# KiCad board sswkbd_right.kicad_pcb
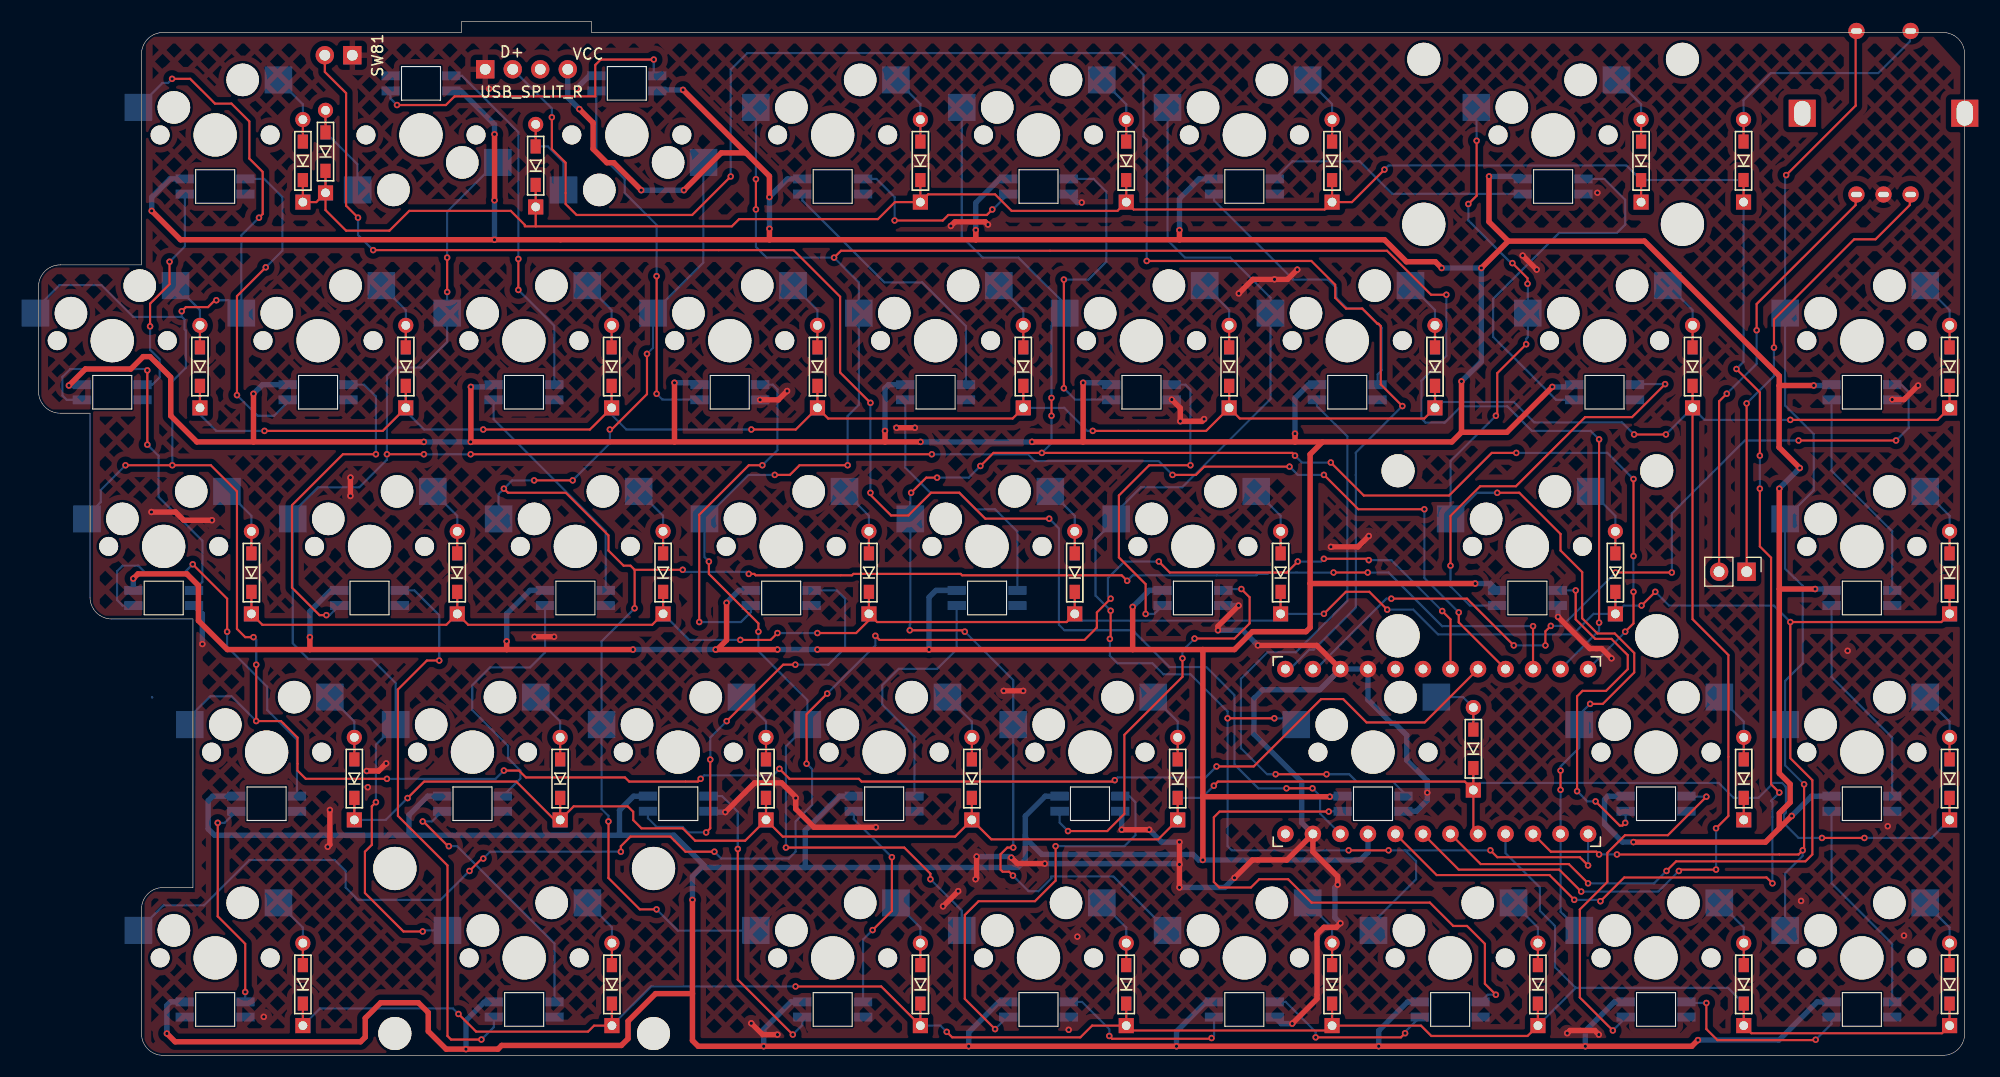
[diagram p0: board, top side]
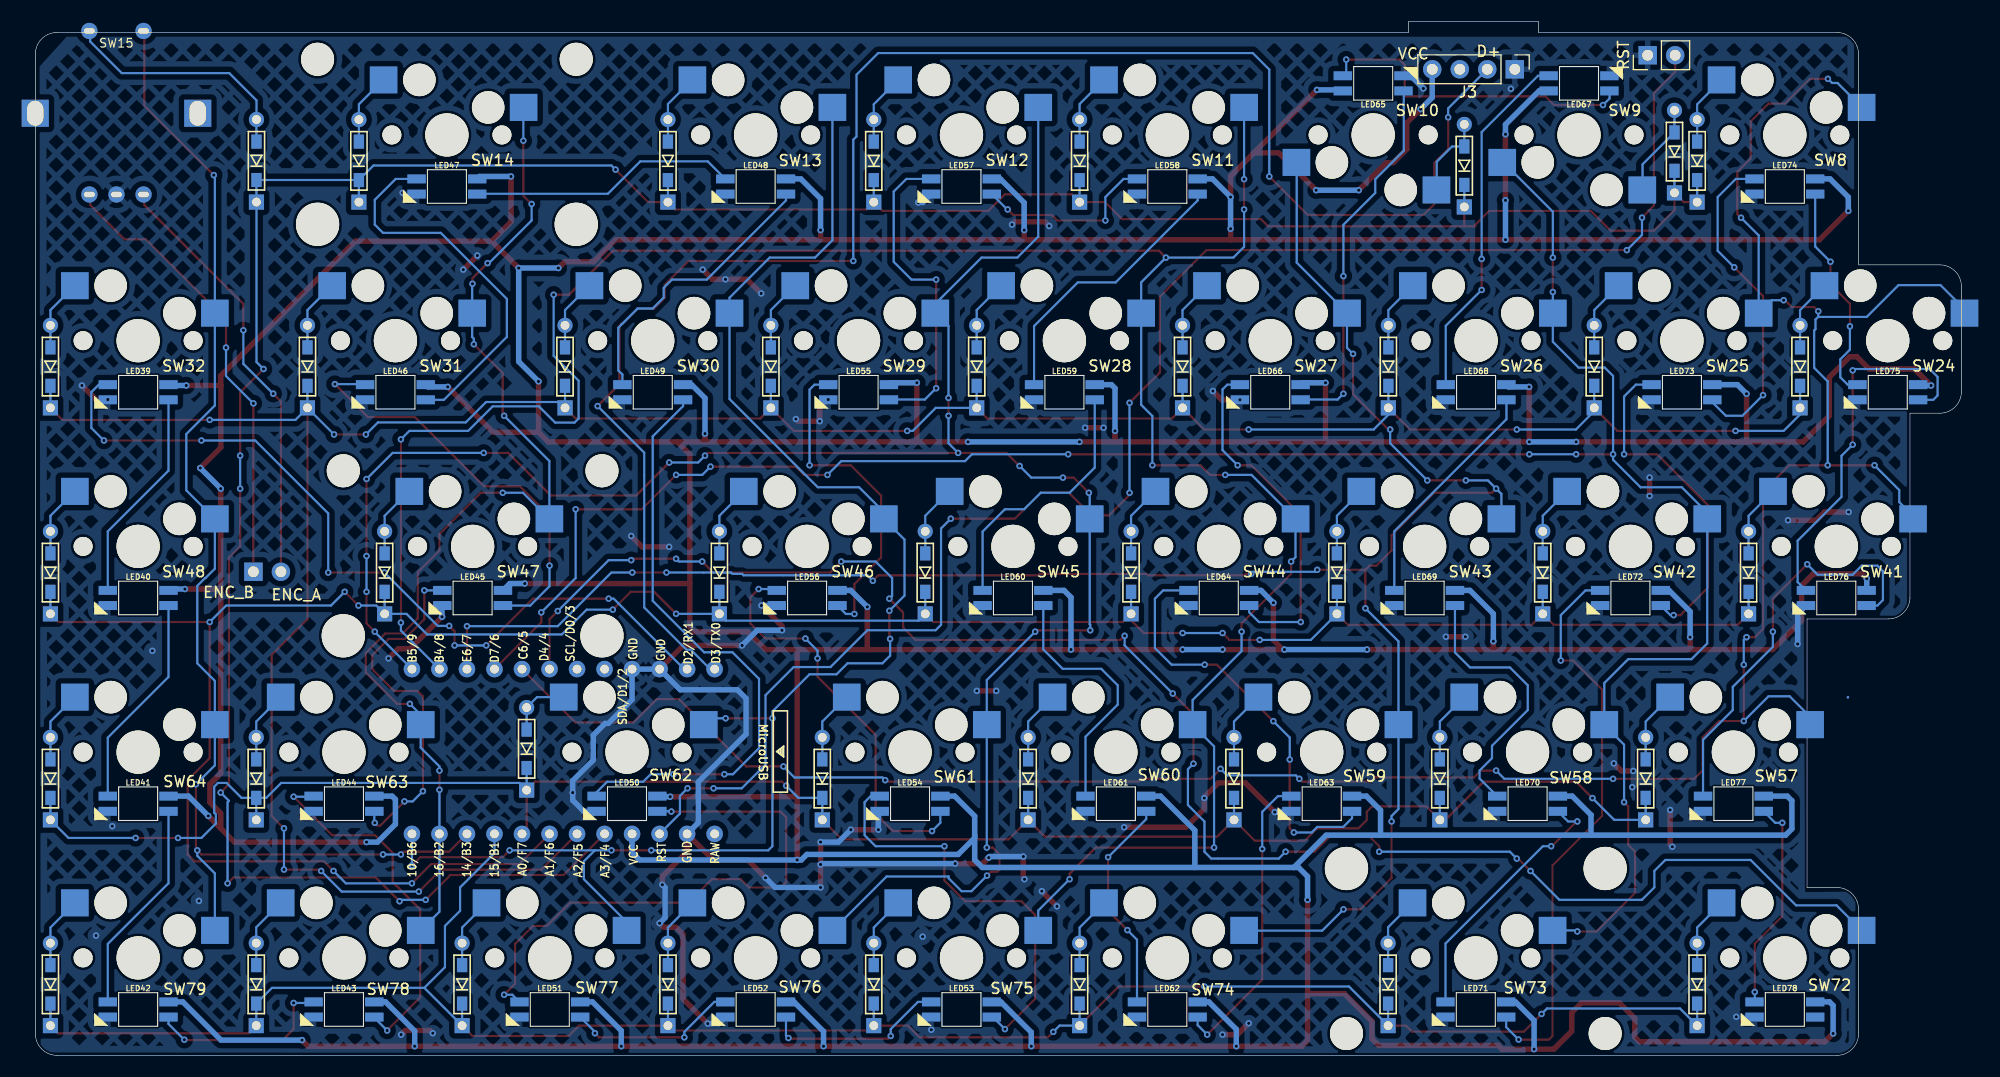
[diagram p1: board, bottom side, seen from below]

Outline 177.79 x 95.46 mm; copper layers: Top, Bottom. Coordinates in mm from the lower left corner of the outline.
Outline path: 0,71 0,61.3 arc(0.59,59.89) 2,59.3 4.75,59.3 4.75,42.3 arc(5.34,40.89) 6.75,40.3 14.25,40.3 14.25,15.5 11.5,15.5 arc(10.09,14.91) 9.5,13.5 9.5,2 arc(10.09,0.59) 11.5,0 175.79,0 arc(177.2,0.59) 177.79,2 177.79,92.46 arc(177.2,93.87) 175.79,94.46 51.04,94.46 51.04,95.46 39.04,95.46 39.04,94.46 11.5,94.46 arc(10.09,93.87) 9.5,92.46 9.5,73 2,73 arc(0.59,72.41) 0,71
Stack: Top 0.035mm / dielectric 1.51mm FR4 er 4.5 / Bottom 0.035mm

## Placement (name value [footprint] x y rotation side)
D8  1N4148WT  [D3_TH_SMD]  24.4 82.61 90 top
D9  1N4148WT  [D3_TH_SMD]  26.49 83.46 90 top
D10  1N4148WT  [D3_TH_SMD]  45.89 82.16 90 top
D11  1N4148WT  [D3_TH_SMD]  81.4 82.61 90 top
D12  1N4148WT  [D3_TH_SMD]  100.4 82.61 90 top
D13  1N4148WT  [D3_TH_SMD]  119.4 82.61 90 top
D14  1N4148WT  [D3_TH_SMD]  147.92 82.61 90 top
D15  1N4148WT  [D3_TH_SMD]  157.38 82.61 90 top
D24  1N4148WT  [D3_TH_SMD]  14.9 63.61 90 top
D25  1N4148WT  [D3_TH_SMD]  33.9 63.61 90 top
D26  1N4148WT  [D3_TH_SMD]  52.9 63.61 90 top
D27  1N4148WT  [D3_TH_SMD]  71.9 63.61 90 top
D28  1N4148WT  [D3_TH_SMD]  90.9 63.61 90 top
D29  1N4148WT  [D3_TH_SMD]  109.9 63.61 90 top
D30  1N4148WT  [D3_TH_SMD]  128.9 63.61 90 top
D31  1N4148WT  [D3_TH_SMD]  152.67 63.61 90 top
D32  1N4148WT  [D3_TH_SMD]  176.4 63.61 90 top
D41  1N4148WT  [D3_TH_SMD]  19.65 44.58 90 top
D42  1N4148WT  [D3_TH_SMD]  38.65 44.58 90 top
D43  1N4148WT  [D3_TH_SMD]  57.65 44.58 90 top
D44  1N4148WT  [D3_TH_SMD]  76.65 44.58 90 top
D45  1N4148WT  [D3_TH_SMD]  95.65 44.58 90 top
D46  1N4148WT  [D3_TH_SMD]  114.65 44.58 90 top
D47  1N4148WT  [D3_TH_SMD]  145.55 44.58 90 top
D48  1N4148WT  [D3_TH_SMD]  176.4 44.58 90 top
D57  1N4148WT  [D3_TH_SMD]  29.15 25.56 90 top
D58  1N4148WT  [D3_TH_SMD]  48.15 25.56 90 top
D59  1N4148WT  [D3_TH_SMD]  67.15 25.56 90 top
D60  1N4148WT  [D3_TH_SMD]  86.15 25.56 90 top
D61  1N4148WT  [D3_TH_SMD]  105.15 25.56 90 top
D62  1N4148WT  [D3_TH_SMD]  132.44 28.31 90 top
D63  1N4148WT  [D3_TH_SMD]  157.4 25.56 90 top
D64  1N4148WT  [D3_TH_SMD]  176.4 25.56 90 top
D72  1N4148WT  [D3_TH_SMD]  24.4 6.56 90 top
D73  1N4148WT  [D3_TH_SMD]  52.92 6.56 90 top
D74  1N4148WT  [D3_TH_SMD]  81.4 6.56 90 top
D75  1N4148WT  [D3_TH_SMD]  100.4 6.56 90 top
D76  1N4148WT  [D3_TH_SMD]  119.4 6.56 90 top
D77  1N4148WT  [D3_TH_SMD]  138.4 6.56 90 top
D78  1N4148WT  [D3_TH_SMD]  157.4 6.56 90 top
D79  1N4148WT  [D3_TH_SMD]  176.4 6.56 90 top
J3  Conn_01x04_Socket  [PinHeader_1x04_P2.54mm_Vertical]  41.23 91.06 90 top
J4  Conn_01x02_Socket  [PinHeader_1x02_P2.54mm_Vertical]  157.66 44.66 270 top
LED39  YS-SK6812MINI-E  [SK6812MINI-E]  168.3 61.24 180 bottom
LED40  YS-SK6812MINI-E  [SK6812MINI-E]  168.3 42.24 180 bottom
LED41  YS-SK6812MINI-E  [SK6812MINI-E]  168.3 23.24 180 bottom
LED42  YS-SK6812MINI-E  [SK6812MINI-E]  168.3 4.24 180 bottom
LED43  YS-SK6812MINI-E  [SK6812MINI-E]  149.3 4.24 180 bottom
LED44  YS-SK6812MINI-E  [SK6812MINI-E]  149.3 23.24 180 bottom
LED45  YS-SK6812MINI-E  [SK6812MINI-E]  137.43 42.24 180 bottom
LED46  YS-SK6812MINI-E  [SK6812MINI-E]  144.55 61.24 180 bottom
LED47  YS-SK6812MINI-E  [SK6812MINI-E]  139.8 80.24 180 bottom
LED48  YS-SK6812MINI-E  [SK6812MINI-E]  111.3 80.24 180 bottom
LED49  YS-SK6812MINI-E  [SK6812MINI-E]  120.8 61.24 180 bottom
LED50  YS-SK6812MINI-E  [SK6812MINI-E]  123.18 23.24 180 bottom
LED51  YS-SK6812MINI-E  [SK6812MINI-E]  130.3 4.24 180 bottom
LED52  YS-SK6812MINI-E  [SK6812MINI-E]  111.3 4.24 180 bottom
LED53  YS-SK6812MINI-E  [SK6812MINI-E]  92.3 4.24 180 bottom
LED54  YS-SK6812MINI-E  [SK6812MINI-E]  97.05 23.24 180 bottom
LED55  YS-SK6812MINI-E  [SK6812MINI-E]  101.8 61.24 180 bottom
LED56  YS-SK6812MINI-E  [SK6812MINI-E]  106.55 42.24 180 bottom
LED57  YS-SK6812MINI-E  [SK6812MINI-E]  92.3 80.24 180 bottom
LED58  YS-SK6812MINI-E  [SK6812MINI-E]  73.3 80.24 180 bottom
LED59  YS-SK6812MINI-E  [SK6812MINI-E]  82.8 61.24 180 bottom
LED60  YS-SK6812MINI-E  [SK6812MINI-E]  87.55 42.24 180 bottom
LED61  YS-SK6812MINI-E  [SK6812MINI-E]  78.05 23.24 180 bottom
LED62  YS-SK6812MINI-E  [SK6812MINI-E]  73.3 4.24 180 bottom
LED63  YS-SK6812MINI-E  [SK6812MINI-E]  59.05 23.24 180 bottom
LED64  YS-SK6812MINI-E  [SK6812MINI-E]  68.55 42.24 180 bottom
LED65  YS-SK6812MINI-E  [SK6812MINI-E]  54.3 89.76 0 bottom
LED66  YS-SK6812MINI-E  [SK6812MINI-E]  63.8 61.24 180 bottom
LED67  YS-SK6812MINI-E  [SK6812MINI-E]  35.3 89.76 0 bottom
LED68  YS-SK6812MINI-E  [SK6812MINI-E]  44.8 61.24 180 bottom
LED69  YS-SK6812MINI-E  [SK6812MINI-E]  49.55 42.24 180 bottom
LED70  YS-SK6812MINI-E  [SK6812MINI-E]  40.05 23.24 180 bottom
LED71  YS-SK6812MINI-E  [SK6812MINI-E]  44.82 4.24 180 bottom
LED72  YS-SK6812MINI-E  [SK6812MINI-E]  30.55 42.24 180 bottom
LED73  YS-SK6812MINI-E  [SK6812MINI-E]  25.8 61.24 180 bottom
LED74  YS-SK6812MINI-E  [SK6812MINI-E]  16.3 80.24 180 bottom
LED75  YS-SK6812MINI-E  [SK6812MINI-E]  6.8 61.24 180 bottom
LED76  YS-SK6812MINI-E  [SK6812MINI-E]  11.55 42.24 180 bottom
LED77  YS-SK6812MINI-E  [SK6812MINI-E]  21.05 23.24 180 bottom
LED78  YS-SK6812MINI-E  [SK6812MINI-E]  16.3 4.24 180 bottom
SW8  SW_PUSH  [MXOnly-1U-Hotswap]  16.3 85 0 top
SW9  SW_PUSH  [MXOnly-1U-Hotswap]  35.3 85 180 top
SW10  SW_PUSH  [MXOnly-1U-Hotswap]  54.3 85 180 top
SW11  SW_PUSH  [MXOnly-1U-Hotswap]  73.3 85 0 top
SW12  SW_PUSH  [MXOnly-1U-Hotswap]  92.3 85 0 top
SW13  SW_PUSH  [MXOnly-1U-Hotswap]  111.3 85 0 top
SW14  SW_PUSH  [MXOnly-2U-Hotswap]  139.8 85 0 top
SW15  SW_PUSH  [keyswitch_cherrymx_hotswap_1u_rotary_encoder_ec12]  170.3 87 180 bottom
SW24  SW_PUSH  [MXOnly-1U-Hotswap]  6.8 66 0 top
SW25  SW_PUSH  [MXOnly-1U-Hotswap]  25.8 66 0 top
SW26  SW_PUSH  [MXOnly-1U-Hotswap]  44.8 66 0 top
SW27  SW_PUSH  [MXOnly-1U-Hotswap]  63.8 66 0 top
SW28  SW_PUSH  [MXOnly-1U-Hotswap]  82.8 66 0 top
SW29  SW_PUSH  [MXOnly-1U-Hotswap]  101.8 66 0 top
SW30  SW_PUSH  [MXOnly-1U-Hotswap]  120.8 66 0 top
SW31  SW_PUSH  [MXOnly-1.5U-Hotswap]  144.55 66 0 top
SW32  SW_PUSH  [MXOnly-1U-Hotswap]  168.3 66 0 top
SW41  SW_PUSH  [MXOnly-1U-Hotswap]  11.55 47 0 top
SW42  SW_PUSH  [MXOnly-1U-Hotswap]  30.55 47 0 top
SW43  SW_PUSH  [MXOnly-1U-Hotswap]  49.55 47 0 top
SW44  SW_PUSH  [MXOnly-1U-Hotswap]  68.55 47 0 top
SW45  SW_PUSH  [MXOnly-1U-Hotswap]  87.55 47 0 top
SW46  SW_PUSH  [MXOnly-1U-Hotswap]  106.55 47 0 top
SW47  SW_PUSH  [MXOnly-2.25U-Hotswap]  137.43 47 0 top
SW48  SW_PUSH  [MXOnly-1U-Hotswap]  168.3 47 0 top
SW57  SW_PUSH  [MXOnly-1U-Hotswap]  21.05 28 0 top
SW58  SW_PUSH  [MXOnly-1U-Hotswap]  40.05 28 0 top
SW59  SW_PUSH  [MXOnly-1U-Hotswap]  59.05 28 0 top
SW60  SW_PUSH  [MXOnly-1U-Hotswap]  78.05 28 0 top
SW61  SW_PUSH  [MXOnly-1U-Hotswap]  97.05 28 0 top
SW62  SW_PUSH  [MXOnly-1.75U-Hotswap]  123.18 28 0 top
SW63  SW_PUSH  [MXOnly-1U-Hotswap]  149.3 28 0 top
SW64  SW_PUSH  [MXOnly-1U-Hotswap]  168.3 28 0 top
SW72  SW_PUSH  [MXOnly-1U-Hotswap]  16.3 9 0 top
SW73  SW_PUSH  [MXOnly-2U-Hotswap-ReversedStabilizers]  44.82 9 0 top
SW74  SW_PUSH  [MXOnly-1U-Hotswap]  73.3 9 0 top
SW75  SW_PUSH  [MXOnly-1U-Hotswap]  92.3 9 0 top
SW76  SW_PUSH  [MXOnly-1U-Hotswap]  111.3 9 0 top
SW77  SW_PUSH  [MXOnly-1U-Hotswap]  130.3 9 0 top
SW78  SW_PUSH  [MXOnly-1U-Hotswap]  149.3 9 0 top
SW79  SW_PUSH  [MXOnly-1U-Hotswap]  168.3 9 0 top
SW81  SW_Push  [PinHeader_1x02_P2.54mm_Vertical]  28.96 92.36 270 top
U2  -  [ProMicro]  129.56 28.06 90 top

## Library data of the parts
D8-D15 D24-D32 D41-D48 D57-D64 D72-D79 = -: Datasheet: https://www.diodes.com/assets/Datasheets/ds30396.pdf; Description: 75V 0.15A Fast switching Diode, SOD-523; Sim.Device: D; Sim.Pins: 1=K 2=A; ki_fp_filters: D*SOD?523*
J3 = -: Description: Generic connector, single row, 01x04, script generated; ki_fp_filters: Connector*:*_1x??_*
J4 = -: Description: Generic connector, single row, 01x02, script generated; ki_fp_filters: Connector*:*_1x??_*
SW15 = -: Description: Rotary encoder, dual channel, incremental quadrate outputs, with switch; ki_fp_filters: RotaryEncoder*Switch*
SW81 = -: Description: Push button switch, generic, two pins

## Footprints (pads in the part's own frame, mm; a bottom-side part is the same pattern mirrored in y, then rotated)
D3_TH_SMD
  rect 1.397x1.397 hole 0.813: 1(-3.81,0)
  rect 1.3x0.95 smd: 1(-1.775,0) 2(1.775,0)
  rect 1.3x0.95 smd far side: 1(-1.775,0) 2(1.775,0)
  round 1.397 hole 0.813: 2(3.81,0)
keyswitch_cherrymx_hotswap_1u_rotary_encoder_ec12
  rect 2.5x2.5 hole 1.5x2.3: (-7.5,0) (7.5,0)
  round 1.5 hole 1x0.5: A(2.5,-7.5) B(-2.5,-7.5) C(0,-7.5) S1(-2.5,7.6) S2(2.5,7.6)
MXOnly-1.5U-Hotswap
  round 1.75 hole 1.75 unplated: (-5.08,0) (5.08,0)
  round 3 hole 3 unplated: (-3.81,2.54) (2.54,5.08)
  round 3.988 hole 3.988 unplated: (0,0)
  rect 2.55x2.5 smd far side: 1(-7.085,2.54) 2(5.842,5.08)
MXOnly-1.75U-Hotswap
  round 1.75 hole 1.75 unplated: (-5.08,0) (5.08,0)
  round 3 hole 3 unplated: (-3.81,2.54) (2.54,5.08)
  round 3.988 hole 3.988 unplated: (0,0)
  rect 2.55x2.5 smd far side: 1(-7.085,2.54) 2(5.842,5.08)
MXOnly-1U-Hotswap
  round 1.75 hole 1.75 unplated: (-5.08,0) (5.08,0)
  round 3 hole 3 unplated: (-3.81,2.54) (2.54,5.08)
  round 3.988 hole 3.988 unplated: (0,0)
  rect 2.55x2.5 smd far side: 1(-7.085,2.54) 2(5.842,5.08)
MXOnly-2.25U-Hotswap
  round 3.048 hole 3.048 unplated: (-11.938,6.985) (11.938,6.985)
  round 3.988 hole 3.988 unplated: (-11.938,-8.255) (0,0) (11.938,-8.255)
  round 1.75 hole 1.75 unplated: (-5.08,0) (5.08,0)
  round 3 hole 3 unplated: (-3.81,2.54) (2.54,5.08)
  rect 2.55x2.5 smd far side: 1(-7.085,2.54) 2(5.842,5.08)
MXOnly-2U-Hotswap
  round 3.048 hole 3.048 unplated: (-11.938,6.985) (11.938,6.985)
  round 3.988 hole 3.988 unplated: (-11.938,-8.255) (0,0) (11.938,-8.255)
  round 1.75 hole 1.75 unplated: (-5.08,0) (5.08,0)
  round 3 hole 3 unplated: (-3.81,2.54) (2.54,5.08)
  rect 2.55x2.5 smd far side: 1(-7.085,2.54) 2(5.842,5.08)
MXOnly-2U-Hotswap-ReversedStabilizers
  round 3.988 hole 3.988 unplated: (-11.938,8.255) (0,0) (11.938,8.255)
  round 3.048 hole 3.048 unplated: (-11.938,-6.985) (11.938,-6.985)
  round 1.75 hole 1.75 unplated: (-5.08,0) (5.08,0)
  round 3 hole 3 unplated: (-3.81,2.54) (2.54,5.08)
  rect 2.55x2.5 smd far side: 1(-7.085,2.54) 2(5.842,5.08)
PinHeader_1x02_P2.54mm_Vertical
  rect 1.7x1.7 hole 1: 1(0,0)
  oval 1.7x1.7 hole 1: 2(0,-2.54)
PinHeader_1x04_P2.54mm_Vertical
  rect 1.7x1.7 hole 1: 1(0,0)
  oval 1.7x1.7 hole 1: 2(0,-2.54) 3(0,-5.08) 4(0,-7.62)
ProMicro
  round 1.524 hole 0.813: 1(7.611,14.478) 2(7.611,11.938) 3(7.611,9.398) 4(7.611,6.858) 5(7.611,4.318) 6(7.611,1.778) 7(7.611,-0.762) 8(7.611,-3.302) 9(7.611,-5.842) 10(7.611,-8.382) 11(7.611,-10.922) 12(7.611,-13.462) 13(-7.609,-13.462) 14(-7.609,-10.922) 15(-7.609,-8.382) 16(-7.609,-5.842) 17(-7.609,-3.302) 18(-7.609,-0.762) 19(-7.609,1.778) 20(-7.609,4.318) 21(-7.609,6.858) 22(-7.609,9.398) 23(-7.609,11.938) 24(-7.609,14.478)
SK6812MINI-E
  rect 1.7x0.825 smd: 1(2.8,0.7) 2(2.8,-0.7) 3(-2.8,-0.7) 4(-2.8,0.7)

## Nets
GND2: J3.1 LED39.3 LED40.3 LED41.3 LED42.3 LED43.3 LED44.3 LED45.3 LED46.3 LED47.3 LED48.3 LED49.3 LED50.3 LED51.3 LED52.3 LED53.3 LED54.3 LED55.3 LED56.3 LED57.3 LED58.3 LED59.3 LED60.3 LED61.3 LED62.3 LED63.3 LED64.3 LED65.3 LED66.3 LED67.3 LED68.3 LED69.3 LED70.3 LED71.3 LED72.3 LED73.3 LED74.3 LED75.3 LED76.3 LED77.3 LED78.3 SW15.C SW81.1 U2.3 U2.4 U2.23
VCC2: J3.4 LED39.1 LED40.1 LED41.1 LED42.1 LED43.1 LED44.1 LED45.1 LED46.1 LED47.1 LED48.1 LED49.1 LED50.1 LED51.1 LED52.1 LED53.1 LED54.1 LED55.1 LED56.1 LED57.1 LED58.1 LED59.1 LED60.1 LED61.1 LED62.1 LED63.1 LED64.1 LED65.1 LED66.1 LED67.1 LED68.1 LED69.1 LED70.1 LED71.1 LED72.1 LED73.1 LED74.1 LED75.1 LED76.1 LED77.1 LED78.1 U2.21
col_r_0: SW15.S2 SW32.1 SW48.1 SW64.1 SW79.1 U2.15
col_r_1: SW14.1 SW31.1 SW47.1 SW63.1 SW78.1 U2.14
col_r_2: SW13.1 SW30.1 SW46.1 SW62.1 SW77.1 U2.13
col_r_3: SW12.1 SW29.1 SW45.1 SW61.1 SW76.1 U2.12
col_r_4: SW11.1 SW28.1 SW44.1 SW60.1 SW75.1 U2.11
col_r_5: SW10.1 SW27.1 SW43.1 SW59.1 SW74.1 U2.10
col_r_6: SW9.1 SW26.1 SW42.1 SW58.1 SW73.1 U2.9
col_r_7: SW8.1 SW24.1 SW25.1 SW41.1 SW57.1 U2.8
col_r_8: SW72.1 U2.7
LED_R: LED39.4 U2.2
row5: D8.1 D9.1 D10.1 D11.1 D12.1 D13.1 D14.1 D15.1 U2.20
row6: D24.1 D25.1 D26.1 D27.1 D28.1 D29.1 D30.1 D31.1 D32.1 U2.19
row7: D41.1 D42.1 D43.1 D44.1 D45.1 D46.1 D47.1 D48.1 U2.18
row8: D57.1 D58.1 D59.1 D60.1 D61.1 D62.1 D63.1 D64.1 U2.17
row9: D72.1 D73.1 D74.1 D75.1 D76.1 D77.1 D78.1 D79.1 U2.16
RST_R: SW81.2 U2.22
SPLIT_R: J3.2 U2.1
Net-(D8-A): D8.2 SW8.2
Net-(D9-A): D9.2 SW9.2
Net-(D10-A): D10.2 SW10.2
Net-(D11-A): D11.2 SW11.2
Net-(D12-A): D12.2 SW12.2
Net-(D13-A): D13.2 SW13.2
Net-(D14-A): D14.2 SW14.2
Net-(D15-A): D15.2 SW15.S1
Net-(D24-A): D24.2 SW24.2
Net-(D25-A): D25.2 SW25.2
Net-(D26-A): D26.2 SW26.2
Net-(D27-A): D27.2 SW27.2
Net-(D28-A): D28.2 SW28.2
Net-(D29-A): D29.2 SW29.2
Net-(D30-A): D30.2 SW30.2
Net-(D31-A): D31.2 SW31.2
Net-(D32-A): D32.2 SW32.2
Net-(D41-A): D41.2 SW41.2
Net-(D42-A): D42.2 SW42.2
Net-(D43-A): D43.2 SW43.2
Net-(D44-A): D44.2 SW44.2
Net-(D45-A): D45.2 SW45.2
Net-(D46-A): D46.2 SW46.2
Net-(D47-A): D47.2 SW47.2
Net-(D48-A): D48.2 SW48.2
Net-(D57-A): D57.2 SW57.2
Net-(D58-A): D58.2 SW58.2
Net-(D59-A): D59.2 SW59.2
Net-(D60-A): D60.2 SW60.2
Net-(D61-A): D61.2 SW61.2
Net-(D62-A): D62.2 SW62.2
Net-(D63-A): D63.2 SW63.2
Net-(D64-A): D64.2 SW64.2
Net-(D72-A): D72.2 SW72.2
Net-(D73-A): D73.2 SW73.2
Net-(D74-A): D74.2 SW74.2
Net-(D75-A): D75.2 SW75.2
Net-(D76-A): D76.2 SW76.2
Net-(D77-A): D77.2 SW77.2
Net-(D78-A): D78.2 SW78.2
Net-(D79-A): D79.2 SW79.2
Net-(J4-Pin_1): J4.1 SW15.B
Net-(J4-Pin_2): J4.2 SW15.A
Net-(LED39-DOUT): LED39.2 LED40.4
Net-(LED40-DOUT): LED40.2 LED41.4
Net-(LED41-DOUT): LED41.2 LED42.4
Net-(LED42-DOUT): LED42.2 LED43.4
Net-(LED43-DOUT): LED43.2 LED44.4
Net-(LED44-DOUT): LED44.2 LED45.4
Net-(LED45-DOUT): LED45.2 LED46.4
Net-(LED46-DOUT): LED46.2 LED47.4
Net-(LED47-DOUT): LED47.2 LED48.4
Net-(LED48-DOUT): LED48.2 LED49.4
Net-(LED49-DOUT): LED49.2 LED50.4
Net-(LED50-DOUT): LED50.2 LED51.4
Net-(LED51-DOUT): LED51.2 LED52.4
Net-(LED52-DOUT): LED52.2 LED53.4
Net-(LED53-DOUT): LED53.2 LED54.4
Net-(LED54-DOUT): LED54.2 LED56.4
Net-(LED55-DIN): LED55.4 LED56.2
Net-(LED55-DOUT): LED55.2 LED57.4
Net-(LED57-DOUT): LED57.2 LED58.4
Net-(LED58-DOUT): LED58.2 LED59.4
Net-(LED59-DOUT): LED59.2 LED60.4
Net-(LED60-DOUT): LED60.2 LED61.4
Net-(LED61-DOUT): LED61.2 LED62.4
Net-(LED62-DOUT): LED62.2 LED63.4
Net-(LED63-DOUT): LED63.2 LED64.4
Net-(LED64-DOUT): LED64.2 LED66.4
Net-(LED65-DIN): LED65.4 LED66.2
Net-(LED65-DOUT): LED65.2 LED67.4
Net-(LED67-DOUT): LED67.2 LED68.4
Net-(LED68-DOUT): LED68.2 LED69.4
Net-(LED69-DOUT): LED69.2 LED70.4
Net-(LED70-DOUT): LED70.2 LED71.4
Net-(LED71-DOUT): LED71.2 LED72.4
Net-(LED72-DOUT): LED72.2 LED73.4
Net-(LED73-DOUT): LED73.2 LED74.4
Net-(LED74-DOUT): LED74.2 LED75.4
Net-(LED75-DOUT): LED75.2 LED76.4
Net-(LED76-DOUT): LED76.2 LED77.4
Net-(LED77-DOUT): LED77.2 LED78.4

Pads without a net: J3 3; LED78 2; U2 5 6 24

## Via types
v1: diameter 0.6, hole 0.3, Top to Bottom, 355 vias

## Routing (per net, layer and track width the routed paths; a pad name or vN(x,y) marks a point on that pad's centre or on a via; arc(x,y) is an arc through that point)
GND2: length 218.3
  Top w0.5: v1(65.79,2.96) 66.83,1.91 v1(68.2,1.91) ; v1(86.59,18.36) 86.59,16.36 v1(86.49,16.26) ; v1(26.89,22.66) 26.89,19.46 v1(26.69,19.26) ; v1(45.79,38.66) v1(47.59,38.66) ; v1(110.77,41.54) 108.86,39.63 v1(108.86,39.25) ; v1(116.19,72.56) 115.29,71.66 v1(114.09,71.66) 112.09,71.66 v1(110.79,70.36) ; v1(110.39,16.39) 112.04,18.04 115.22,18.04 U2.23 117.63,18.81 119.91,16.52 v1(119.91,15.76) ; v1(84.21,76.59) 84.59,76.97 87.38,76.97 v1(87.64,76.72) ; v1(112.55,37.86) 117.98,37.86 U2.3 ; v1(141.1,2.04) 141.36,2.3 143.64,2.3 v1(144.02,1.91) ; v1(66.6,60.54) 68.28,60.54 v1(69.09,61.35) ; v1(119.29,46.96) 121.79,46.96 v1(122.79,47.96) ; v1(145.19,36.66) 144.29,37.56 143.19,37.56 v1(140.25,40.5) ; v1(102.51,20.84) v1(99.97,20.84) ; v1(77.29,21.06) 71.59,21.06 69.89,22.76 v1(69.89,23.76) 69.89,23.86 68.59,25.16 66.09,25.16 v1(63.39,22.46) ; v1(10.42,50.17) 12.64,50.17 13.4,49.41 v1(16.01,49.41) ; 105.31,17.79 v1(105.31,19.69) ; 105.31,17.79 v1(105.31,15.5) ; 105.31,17.79 v1(105.31,17.63) ; v1(136.99,73.86) v1(138.29,72.56) ; v1(107.59,58.76) 107.39,58.56 v1(105.39,58.56) 105.39,59.77 v1(104.6,60.56) ; v1(171.1,60.56) 172.19,60.56 v1(173.49,61.86) ; v1(115.72,2.93) 118.01,5.22 118.01,11.19 118.64,11.82 119.79,11.82 v1(120.17,12.2) ; v1(89.79,18.26) 90.34,17.71 v1(92.88,17.71) ; v1(79.19,57.96) v1(80.89,57.96) ; v1(28.79,53.36) v1(28.79,51.66) ; v1(32.09,26.96) 31.39,26.26 v1(30.29,26.26) ; v1(89.09,33.66) v1(90.89,33.66) ; v1(83.49,13.76) v1(84.89,15.16)
  Bottom w0.5: v1(63.39,22.46) 61.9,22.46 61.85,22.51 ; v1(99.97,20.84) 99.97,22.41 LED54.3 99.85,22.51 ; v1(15.12,37.98) 15.12,40.77 LED76.3 ; LED45.3 140.25,41.51 v1(140.25,40.5) ; v1(108.86,39.25) 111.15,39.25 v1(112.55,37.86) ; v1(120.17,12.2) 119.66,12.71 119.66,15.5 v1(119.91,15.76) ; v1(49.66,89.29) 50.84,90.46 51.47,90.46 ; v1(110.39,16.39) 109.5,15.5 v1(105.31,15.5) ; LED57.3 95.88,78.76 v1(96.29,78.76) ; LED50.3 127.16,22.54 128.19,23.56 v1(128.19,24.26) 128.19,25.36 126.29,27.26 126.29,29.56 125.19,30.66 124.89,30.66 122.71,32.84 U2.4 U2.3 118.26,33.76 112.99,33.76 112.19,32.96 112.19,29.66 116.59,25.26 116.59,21.49 U2.23 ; v1(86.59,18.36) 89.69,18.36 v1(89.79,18.26) ; LED56.3 109.35,41.54 v1(110.77,41.54) ; v1(105.31,17.63) 105.23,17.71 v1(92.88,17.71) ; v1(115.72,2.93) 114.71,2.93 LED52.3 ; v1(102.51,20.84) 103.66,19.69 v1(105.31,19.69)
  vias: v1(20.79,3.56) v1(30.39,24.76) v1(41.59,89.26) v1(95.09,2.36) v1(95.89,10.96) v1(143.89,79.66) v1(162.69,14.26) v1(166.99,37.36) v1(170.69,21.16) v1(172.19,11.06)
VCC2: length 1132.4
  Top w0.5: v1(139.73,61.73) 135.53,57.54 131.34,57.54 ; v1(129.51,72.71) 128.93,73.29 126.26,73.29 124.23,75.32 105.31,75.32 ; v1(49.92,87.39) 51.19,86.12 51.19,83.7 52.46,82.43 53.09,82.43 v1(55.63,79.89) ; v1(133.88,81.16) 133.88,76.97 135.66,75.19 ; 67.46,75.32 v1(42.09,75.32) 13.11,75.32 v1(10.44,77.99) ; 67.46,75.32 v1(67.46,76.34) ; 67.46,75.32 86.51,75.32 ; 78.13,56.65 58.7,56.65 ; 78.13,56.65 v1(78.13,57.67) ; 78.13,56.65 v1(81.41,56.65) ; 58.7,56.65 v1(58.7,62.11) ; 58.7,56.65 39.9,56.65 ; v1(59.57,79.89) 63.02,83.34 65.3,83.34 ; 115.98,56.65 v1(115.98,57.41) ; 115.98,56.65 96.42,56.65 ; 115.98,56.65 118.52,56.65 ; v1(35.57,56.65) 19.84,56.65 ; 19.84,56.65 14.61,56.65 12.2,59.06 12.2,62.62 10.29,64.53 9.66,64.53 8.51,63.38 4.32,63.38 v1(2.8,61.86) ; 19.84,56.65 v1(19.84,61.1) ; 117.37,43.57 117.37,39.51 116.99,39.13 112.04,39.13 110.39,37.47 107.47,37.47 ; 117.37,43.57 117.37,55.51 118.52,56.65 ; 117.37,43.57 v1(132.61,43.57) ; 107.47,23.89 v1(119.19,23.89) ; 107.47,23.89 107.47,37.47 ; 107.47,23.89 v1(107.47,18.04) ; v1(54.87,37.47) 43.21,37.47 ; 43.21,37.47 25.04,37.47 ; 43.21,37.47 v1(43.21,38.24) ; v1(11.84,2.02) 12.6,1.25 29.72,1.25 30.16,1.69 30.16,3.44 31.58,4.86 35.06,4.86 35.97,3.95 35.97,2.22 37.62,0.57 v1(39.45,0.57) 42.4,0.57 42.74,0.91 53.79,0.91 54.41,1.53 54.41,3.16 56.95,5.7 60.36,5.7 ; v1(60.36,14.36) 60.36,5.7 ; 60.36,5.7 60.36,1.37 60.89,0.84 152.6,0.84 v1(153.17,1.41) ; 25.04,37.47 17.42,37.47 14.76,40.14 14.76,43.39 13.69,44.46 9.18,44.46 v1(8.74,44.03) ; 25.04,37.47 v1(25.04,38.62) ; 131.34,57.54 v1(131.34,62.24) ; 131.34,57.54 130.45,56.65 118.52,56.65 ; 65.3,83.34 v1(59.49,89.16) ; 65.3,83.34 67.46,81.18 v1(67.46,79.26) ; v1(68.2,37.47) 62.64,37.47 ; 62.64,37.47 63.51,38.34 v1(63.51,41.79) ; 62.64,37.47 v1(62.49,37.47) ; 39.9,56.65 v1(39.9,61.73) ; 39.9,56.65 v1(39.88,56.65) ; 160.68,61.86 160.66,61.84 160.66,56.14 v1(162.57,54.24) ; 160.68,61.86 160.68,62.75 148.23,75.19 135.66,75.19 ; 160.68,61.86 v1(163.86,61.86) ; 107.47,37.47 100.99,37.47 ; 100.99,37.47 v1(100.99,41.41) ; 100.99,37.47 v1(82.19,37.47) v1(71.89,37.47) ; v1(160.68,52.33) 160.68,43.06 ; 160.68,43.06 160.68,26.04 161.68,25.05 161.68,23.36 160.68,22.36 160.68,20.97 ; 160.68,43.06 v1(163.98,43.06) ; v1(42.09,85.06) v1(42.09,78.96) ; 96.42,56.65 v1(96.42,62.11) ; 96.42,56.65 v1(91.7,56.65) ; 135.66,75.19 v1(133.18,72.71) ; 86.51,75.32 v1(86.51,76.21) ; 86.51,75.32 105.31,75.32 ; 160.68,20.97 v1(161.82,22.11) ; 160.68,20.97 159.41,19.69 v1(147.22,19.69) ; 105.31,75.32 v1(105.31,76.21)
  Bottom w0.5: v1(49.92,87.39) 48.85,88.46 J3.4 ; 61.62,17.35 58.64,20.33 53.62,20.33 ; 61.62,17.35 61.19,17.35 60.36,16.52 v1(60.36,14.36) ; 61.62,17.35 70.76,17.35 ; v1(139.73,61.73) 141.54,61.73 LED46.1 ; LED42.1 164.18,4.94 160.64,1.41 v1(153.17,1.41) ; v1(105.04,0.84) 105.04,2.21 107.76,4.94 LED52.1 ; v1(81.41,56.65) v1(91.7,56.65) ; v1(19.84,61.1) 20.68,61.94 LED73.1 ; LED70.1 35.93,23.94 34.19,22.2 34.19,20.33 ; LED39.1 165.42,61.86 v1(163.86,61.86) ; v1(160.68,52.33) 160.68,52.35 v1(162.57,54.24) ; v1(132.61,43.57) 133.99,43.57 LED45.1 ; LED78.1 12.18,4.94 11.84,4.6 v1(11.84,2.02) ; LED74.1 12.12,80.94 10.44,79.25 v1(10.44,77.99) ; 53.62,20.33 53.62,22.63 54.93,23.94 LED63.1 ; 53.62,20.33 34.19,20.33 ; 91.08,20.33 91.08,22.1 92.93,23.94 LED54.1 ; 91.08,20.33 91.08,18.06 90.38,17.35 70.76,17.35 ; 91.08,20.33 91.08,20.08 92.61,18.55 106.58,18.55 107.09,18.04 122.01,18.04 122.71,18.74 U2.21 ; v1(54.87,37.47) v1(62.49,37.47) ; LED75.1 3.92,61.86 v1(2.8,61.86) ; LED66.1 60.82,62.11 v1(58.7,62.11) ; v1(123.7,0.84) 123.7,2.28 126.36,4.94 LED51.1 ; v1(71.89,37.47) v1(68.2,37.47) ; LED58.1 69.12,80.94 67.46,79.27 v1(67.46,79.26) v1(67.46,76.34) ; LED68.1 41.79,61.73 v1(39.9,61.73) ; v1(86.51,76.21) 86.51,78.74 88.71,80.94 LED57.1 ; v1(35.57,56.65) v1(39.88,56.65) ; LED48.1 107.12,80.94 105.31,79.12 v1(105.31,76.21) ; v1(78.13,57.67) 78.13,61.6 78.46,61.94 LED59.1 ; 57.07,89.09 57.15,89.16 v1(59.49,89.16) ; v1(66.94,0.84) 66.94,2.41 69.46,4.94 LED62.1 ; LED55.1 98.82,62.11 v1(96.42,62.11) ; 34.19,20.33 16.24,20.33 15.65,20.91 15.65,23.51 16.08,23.94 LED77.1 ; LED49.1 117.21,61.94 115.98,60.7 v1(115.98,57.41) ; LED60.1 82.83,42.94 82.19,42.3 v1(82.19,37.47) ; v1(142.77,0.84) 142.77,2.25 145.46,4.94 LED43.1 ; v1(163.98,43.06) 165.37,43.06 LED40.1 ; LED41.1 163.65,23.94 v1(161.82,22.11) ; v1(131.34,62.24) 133.18,64.07 v1(133.18,72.71) v1(129.51,72.71) ; v1(39.45,0.57) 39.45,3.22 41.16,4.94 LED71.1 ; 38.07,89.06 38.98,89.06 42.09,85.96 v1(42.09,85.06) ; 137.02,80.94 136.8,81.16 v1(133.88,81.16) ; 70.76,17.35 70.76,20.78 73.93,23.94 LED61.1 ; LED64.1 64.65,42.94 v1(63.51,41.79) ; LED50.1 120.32,23.89 v1(119.19,23.89) ; LED72.1 26.99,42.94 25.04,40.99 v1(25.04,38.62) ; v1(147.22,19.69) 146.2,19.69 144.55,21.35 144.55,23.63 144.86,23.94 LED44.1 ; v1(42.09,75.32) v1(42.09,78.96) ; v1(8.74,44.03) 8.74,42.94 LED76.1 ; v1(55.63,79.89) v1(59.57,79.89) ; LED53.1 88.66,4.94 85.86,2.13 v1(85.86,0.84) ; v1(100.99,41.41) 102.52,42.94 LED56.1 ; LED69.1 45.37,42.94 43.21,40.78 v1(43.21,38.24)